# KiCad board ciaa_acc.kicad_pcb (continued)
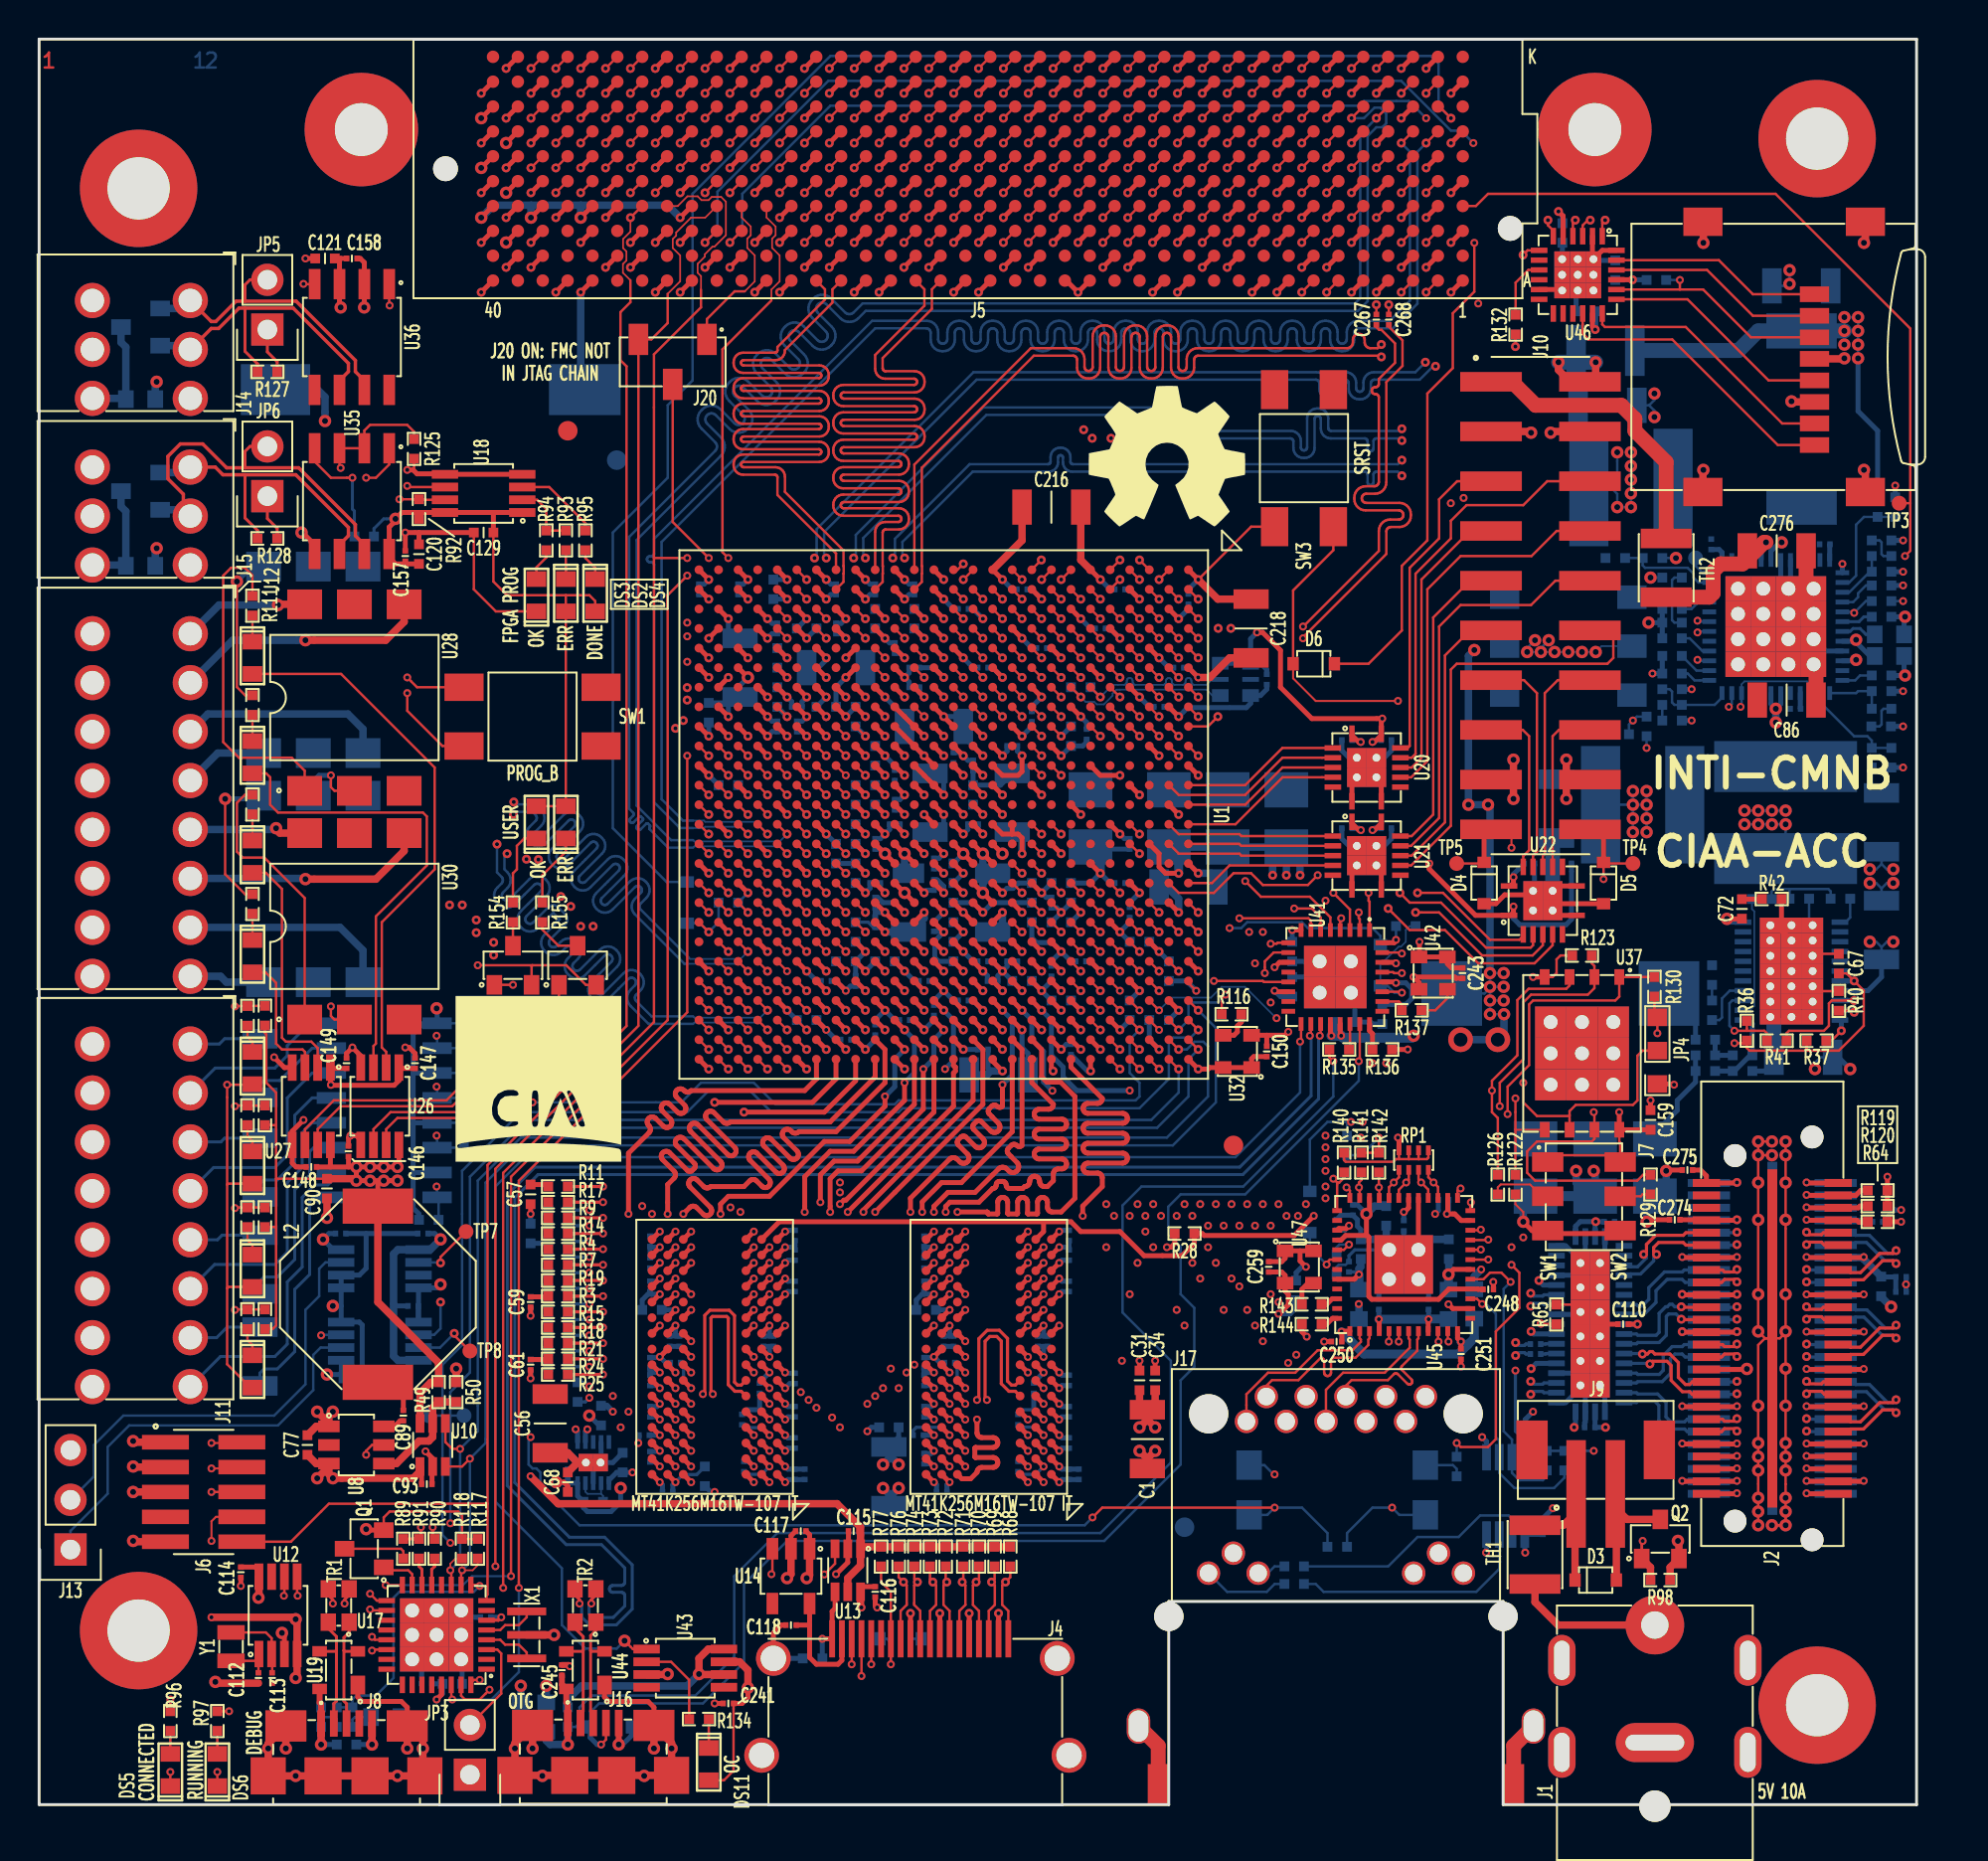
[diagram p0: board, top side]
## Routing (per net, layer and track width the routed paths; a pad name or vN(x,y) marks a point on that pad's centre or on a via; arc(x,y) is an arc through that point) (continued)
/Principal/BANKS_HR/FMC_LA_33_P: length 77.7
  TOP_L1.Sig w0.127: U1.AE17 v2(35.2,46.57) ; v2(27.66,84.86) 28.25,85.46 J5.G36
  L3.Sig w0.089: v2(22.32,45.18) 22.51,45 23.84,45 23.92,44.99 24,44.96 24.07,44.92 24.13,44.86 24.17,44.79 24.2,44.71 24.21,44.63 24.21,44.47 24.21,44.44 24.22,44.42 24.23,44.4 24.25,44.38 24.27,44.37 24.29,44.36 24.32,44.36 24.42,44.36 24.44,44.36 24.47,44.37 24.49,44.38 24.5,44.4 24.52,44.42 24.53,44.44 24.53,44.47 24.53,47.12 24.54,47.22 24.57,47.3 24.62,47.38 24.68,47.45 24.76,47.5 24.85,47.53 24.94,47.54 24.99,47.54 25.09,47.53 25.17,47.5 25.25,47.45 25.32,47.38 25.37,47.3 25.4,47.22 25.41,47.12 25.41,45.16 25.41,45.12 25.42,45.09 25.44,45.06 25.47,45.03 25.5,45.01 25.53,45 25.57,45 25.68,45 26.45,44.24 28.87,44.24 29.7,45.07 29.78,45.13 29.86,45.17 29.95,45.19 30.04,45.19 30.13,45.17 30.22,45.13 30.29,45.07 30.69,44.67 30.72,44.65 30.75,44.63 30.78,44.62 30.82,44.62 30.86,44.63 30.89,44.65 30.92,44.67 30.94,44.7 30.95,44.73 30.96,44.77 30.96,44.8 30.95,44.84 30.94,44.87 30.92,44.9 30.52,45.3 30.46,45.37 30.42,45.45 30.4,45.54 30.4,45.64 30.42,45.73 30.46,45.81 30.52,45.88 30.55,45.92 30.62,45.98 30.71,46.02 30.8,46.04 30.89,46.04 30.98,46.02 31.07,45.98 31.14,45.92 31.54,45.52 31.57,45.5 31.6,45.48 31.63,45.47 31.67,45.47 31.7,45.48 31.74,45.5 31.76,45.52 31.79,45.55 31.8,45.58 31.81,45.61 31.81,45.65 31.8,45.69 31.79,45.72 31.76,45.75 30.95,46.56 30.92,46.6 30.89,46.66 30.88,46.72 30.88,46.78 30.89,46.84 30.92,46.89 30.95,46.94 31.19,47.18 31.24,47.22 31.29,47.24 31.35,47.26 31.41,47.26 31.47,47.24 31.53,47.22 31.58,47.18 31.69,47.07 31.69,47.06 31.7,47.07 31.84,47.21 33.56,47.21 33.7,47.07 U1.AE17 v2(35.2,46.57)
  L10.Sig w0.089: v2(22.32,45.18) 22.14,45 21.11,45 20.43,45.68 20.43,68.68 22.67,70.92 22.73,70.99 22.77,71.07 22.79,71.16 22.79,71.26 22.77,71.35 22.73,71.43 22.67,71.5 22.42,71.76 22.4,71.79 22.38,71.82 22.37,71.85 22.37,71.89 22.38,71.93 22.4,71.96 22.42,71.99 22.45,72.01 22.48,72.02 22.51,72.03 22.55,72.03 22.58,72.02 22.62,72.01 22.64,71.99 22.9,71.73 22.97,71.67 23.06,71.63 23.15,71.61 23.24,71.61 23.33,71.63 23.41,71.67 23.49,71.73 23.52,71.77 23.58,71.84 23.62,71.92 23.64,72.01 23.64,72.11 23.62,72.2 23.58,72.28 23.52,72.35 23.27,72.61 23.24,72.64 23.23,72.67 23.22,72.7 23.22,72.74 23.23,72.77 23.24,72.81 23.27,72.83 23.29,72.86 23.33,72.87 23.36,72.88 23.4,72.88 23.43,72.87 23.47,72.86 23.49,72.83 23.75,72.58 23.82,72.52 23.9,72.48 23.99,72.46 24.09,72.46 24.18,72.48 24.26,72.52 24.33,72.58 24.37,72.62 24.43,72.69 24.47,72.77 24.49,72.86 24.49,72.95 24.47,73.05 24.43,73.13 24.37,73.2 24.12,73.46 24.09,73.48 24.08,73.52 24.07,73.55 24.07,73.59 24.08,73.62 24.09,73.65 24.12,73.68 24.14,73.71 24.18,73.72 24.21,73.73 24.25,73.73 24.28,73.72 24.31,73.71 24.34,73.68 24.6,73.43 24.67,73.37 24.75,73.33 24.84,73.31 24.94,73.31 25.03,73.33 25.11,73.37 25.18,73.43 25.22,73.46 25.28,73.54 25.32,73.62 25.34,73.71 25.34,73.8 25.32,73.89 25.28,73.98 25.22,74.05 24.96,74.3 24.94,74.33 24.93,74.37 24.92,74.4 24.92,74.44 24.93,74.47 24.94,74.5 24.96,74.53 24.99,74.55 25.02,74.57 25.06,74.58 25.09,74.58 25.13,74.57 25.16,74.55 25.19,74.53 25.45,74.28 25.52,74.22 25.6,74.18 25.69,74.16 25.78,74.16 25.87,74.18 25.96,74.22 26.03,74.28 26.07,74.31 26.12,74.38 26.17,74.47 26.19,74.56 26.19,74.65 26.17,74.74 26.12,74.83 26.07,74.9 25.81,75.15 25.79,75.18 25.77,75.21 25.77,75.25 25.77,75.28 25.77,75.32 25.79,75.35 25.81,75.38 25.84,75.4 25.87,75.42 25.91,75.43 25.94,75.43 25.98,75.42 26.01,75.4 26.04,75.38 26.29,75.13 26.37,75.07 26.45,75.03 26.54,75.01 26.63,75.01 26.72,75.03 26.81,75.07 26.88,75.13 27.16,75.41 27.16,84.37 v2(27.66,84.86)
/Principal/BANKS_HR/FMC_PRSNT: length 3.7
  TOP_L1.Sig w0.127: U1.AF19 v2(34.2,44.57)
  BOT_L12.Sig w0.127: R79.2 34.7,45.07 v2(34.2,44.57) 33.76,45.02 D2.1
/Principal/BANKS_HR/HDMI_CEC: length 73.8
  TOP_L1.Sig w0.127: R77.1 43,11.37 43.5,10.87 J4.13 v1(43.5,7.17) ; U1.AB21 v1(38.2,42.57)
  L5.Sig w0.107: v1(43.5,7.17) 40,10.67 25.8,10.67 20.4,16.07 20.4,24.87 21.2,25.67 21.2,34.17 30.1,43.07 U1.AB21 v1(38.2,42.57)
  BOT_L12.Sig w0.127: D1.2 43.3,8.47 43.5,8.27 v1(43.5,7.17)
/Principal/BANKS_HR/HDMI_HPD: length 62.3
  TOP_L1.Sig w0.127: U13.3 40.65,12.31 v1(40.1,11.76) ; U1.AB22 v2(38.2,41.57)
  L5.Sig w0.107: v2(38.2,41.57) U1.AB22 29.7,42.07 21.6,33.97 21.6,25.37 20.8,24.57 20.8,16.27 26,11.07 39.6,11.07 40.1,11.57 v1(40.1,11.76)
/Principal/BANKS_HR/HDMI_OUT_EN: length 51.8
  TOP_L1.Sig w0.127: v1(37.4,11.77) 37.45,11.82 U14.3 ; U1.AF23 v2(34.2,40.57)
  L5.Sig w0.107: v1(37.4,11.77) 37.11,11.77 36.91,11.57 26,11.57 22.36,15.21 22.36,33.63 29.3,40.57 v2(34.2,40.57)
/Principal/BANKS_HR/LED_ERR: length 21
  TOP_L1.Sig w0.127: Q4.1 26.55,41.02 v1(26.5,40.97) ; U1.W17 v2(41.2,46.57)
  L10.Sig w0.089: v2(41.2,46.57) 40.83,46.2 40.03,46.2 39.82,45.99 39.82,43.17 39.59,42.94 33.87,42.94 33.2,42.27 33.2,41.47 32.4,40.67 26.8,40.67 v1(26.5,40.97)
/Principal/BANKS_HR/LED_OK: length 26.4
  TOP_L1.Sig w0.127: Q3.1 v1(24.2,41.87) ; U1.W14 v2(41.2,49.57)
  L10.Sig w0.089: v2(41.2,49.57) 40.7,49.07 40.7,47.17 40.6,47.07 39.9,47.07 39.57,46.74 39.57,43.27 39.47,43.17 33.7,43.17 33,42.47 33,41.54 32.32,40.86 27.21,40.86 26.2,41.87 v1(24.2,41.87)
/Principal/BANKS_HR/MGTREFCLK1_B_N: length 6.7
  TOP_L1.Sig w0.127: v2(67.03,81.05) 67.62,81.65 J5.D5 ; C267.1 v2(68.3,76.61)
  L5.Sig w0.089: v2(67.03,81.05) 67.52,80.56 67.52,79.35 68.79,78.08 68.79,77.08 68.32,76.61 v2(68.3,76.61)
/Principal/BANKS_HR/MGTREFCLK1_B_P: length 6.6
  TOP_L1.Sig w0.127: C268.1 v2(68.93,76.61) ; J5.D4 68.89,81.65 v2(68.3,81.05)
  L5.Sig w0.089: v2(68.3,81.05) 67.8,80.56 67.8,79.46 69.07,78.19 69.07,76.75 v2(68.93,76.61)
/Principal/BANKS_HR/MGTREFCLK1_N: length 43.2
  TOP_L1.Sig w0.127: C267.2 68.3,75.47 68.44,75.33 68.55,75.33 69.25,74.63 69.25,73.64 68.42,72.81 68.42,72.57 68.42,72.53 68.41,72.49 68.39,72.46 68.36,72.43 68.33,72.41 68.29,72.4 68.25,72.4 68.24,72.4 68.2,72.39 68.16,72.38 68.13,72.36 68.1,72.33 68.08,72.3 68.07,72.26 68.06,72.22 68.07,72.18 68.08,72.14 68.1,72.11 68.13,72.08 68.16,72.06 68.2,72.05 68.24,72.05 68.25,72.05 68.29,72.04 68.33,72.03 68.36,72.01 68.39,71.98 68.41,71.95 68.42,71.91 68.42,71.87 68.42,67.57 68.42,67.52 68.4,67.47 68.37,67.42 68.34,67.39 68.29,67.36 68.24,67.34 68.19,67.34 67.75,67.34 67.62,67.32 67.5,67.28 67.39,67.21 67.3,67.12 67.23,67.01 67.19,66.88 67.17,66.76 67.17,66.68 67.19,66.56 67.23,66.43 67.3,66.32 67.39,66.23 67.5,66.16 67.62,66.12 67.75,66.1 69.44,66.1 69.5,66.1 69.55,66.08 69.59,66.05 69.63,66.02 69.65,65.97 69.67,65.92 69.68,65.87 69.67,65.82 69.65,65.77 69.63,65.72 69.59,65.69 69.55,65.66 69.5,65.64 69.44,65.64 69,65.64 68.88,65.62 68.75,65.58 68.64,65.51 68.55,65.42 68.48,65.31 68.44,65.18 68.42,65.06 68.42,64.03 64.56,60.17 ; U1.R5 v2(45.2,58.57)
  L8.Sig w0.089: v1(64.55,60.17) 64.3,59.92 64.14,59.92 62.41,58.19 45.58,58.19 v2(45.2,58.57)
/Principal/BANKS_HR/MGTREFCLK1_P: length 43.3
  TOP_L1.Sig w0.127: v1(64.55,59.57) 64.55,59.62 68.81,63.88 68.81,65.02 68.81,65.07 68.83,65.12 68.86,65.17 68.89,65.2 68.94,65.23 68.99,65.25 69.04,65.25 69.48,65.25 69.61,65.27 69.73,65.31 69.84,65.38 69.93,65.47 70,65.58 70.04,65.71 70.06,65.83 70.06,65.91 70.04,66.03 70,66.16 69.93,66.27 69.84,66.36 69.73,66.43 69.61,66.47 69.48,66.49 67.79,66.49 67.74,66.49 67.69,66.51 67.64,66.54 67.6,66.57 67.58,66.62 67.56,66.67 67.55,66.72 67.56,66.77 67.58,66.82 67.6,66.87 67.64,66.9 67.69,66.93 67.74,66.95 67.79,66.95 68.23,66.95 68.36,66.97 68.48,67.01 68.59,67.08 68.68,67.17 68.75,67.28 68.79,67.41 68.81,67.53 68.81,72.66 69.63,73.48 69.63,74.79 68.93,75.49 C268.2 ; U1.R6 v2(45.2,57.57)
  L8.Sig w0.089: v2(45.2,57.57) 45.58,57.95 62.51,57.95 64.24,59.67 64.45,59.67 v1(64.55,59.57)
/Principal/BANKS_HR/RS485_ENA: length 37.6
  TOP_L1.Sig w0.127: U1.V18 v2(42.2,45.57)
  L10.Sig w0.089: v2(20.5,25.67) 21.8,25.67 29.2,33.07 33.15,33.07 36.35,36.27 36.8,36.27 37.7,37.17 37.7,39.87 37.9,40.07 38.5,40.07 38.7,40.27 38.7,40.87 38.9,41.07 39.4,41.07 39.7,41.37 39.7,41.87 39.9,42.07 40.4,42.07 40.7,42.37 40.7,42.87 40.9,43.07 41.5,43.07 41.7,43.27 41.7,43.87 41.9,44.07 42.5,44.07 42.7,44.27 42.7,45.07 v2(42.2,45.57)
  BOT_L12.Sig w0.127: U33.6 20.18,24 20.5,24.32 v2(20.5,25.67)
/Principal/BANKS_HR/TMDS_CLK_N: length 66.9
  TOP_L1.Sig w0.127: U1.AA23 v2(39.2,40.57) ; R76.2 43.9,11.61 v2(44.14,11.37) 44.31,11.2 44.31,10.2 44,9.89 J4.12
  L5.Sig w0.089: v2(39.2,40.57) 38.57,39.94 33.71,39.94 33.7,39.93 30.66,39.93 23.44,32.71 23.44,15.73 26.56,12.61 42.66,12.61 42.84,12.43 42.85,12.42 42.87,12.41 42.89,12.41 42.91,12.41 42.93,12.41 42.95,12.42 42.96,12.43 43.25,12.72 43.26,12.73 43.28,12.74 43.3,12.74 43.32,12.74 43.34,12.74 43.36,12.73 43.37,12.72 43.39,12.7 43.4,12.68 43.4,12.66 43.4,12.64 43.4,12.62 43.39,12.61 43.37,12.59 43.09,12.31 43.08,12.29 43.07,12.27 43.06,12.25 43.06,12.23 43.07,12.21 43.08,12.19 43.09,12.18 43.1,12.17 43.12,12.16 43.14,12.15 43.16,12.15 43.18,12.16 43.2,12.17 43.21,12.18 43.5,12.47 43.52,12.48 43.53,12.49 43.55,12.49 43.57,12.49 43.59,12.49 43.61,12.48 43.63,12.47 43.64,12.45 43.65,12.43 43.65,12.41 43.65,12.39 43.65,12.37 43.64,12.36 43.63,12.34 43.34,12.05 43.33,12.04 43.32,12.02 43.31,12 43.31,11.98 43.32,11.96 43.33,11.94 43.34,11.93 43.34,10.93 43.56,10.71 44.14,10.71 44.36,10.93 44.36,11.15 v2(44.14,11.37)
/Principal/BANKS_HR/TMDS_CLK_P: length 66.9
  TOP_L1.Sig w0.127: J4.10 45,9.89 44.69,10.2 44.69,11.2 v2(44.86,11.37) 44.7,11.53 R74.2 ; U1.AA22 v2(39.2,41.57)
  L5.Sig w0.089: v2(39.2,41.57) 38.7,41.07 38.7,40.52 38.38,40.2 33.71,40.2 33.7,40.21 30.54,40.21 23.16,32.83 23.16,15.61 26.44,12.33 42.54,12.33 43.06,11.81 43.06,10.81 43.44,10.43 44.26,10.43 44.64,10.81 44.64,11.15 v2(44.86,11.37)
/Principal/BANKS_HR/TMDS_D0_N: length 62.7
  TOP_L1.Sig w0.127: U1.AB24 v2(38.2,39.57) ; J4.9 45.5,9.89 45.81,10.2 45.81,11.2 v2(45.64,11.37) 45.5,11.51 R73.2
  L5.Sig w0.089: v2(38.2,39.57) 37.83,39.2 33.71,39.2 33.7,39.21 31.04,39.21 24.26,32.43 24.26,16.01 26.94,13.33 44.64,13.33 45.61,12.36 45.62,12.35 45.63,12.33 45.63,12.31 45.63,12.29 45.63,12.27 45.62,12.25 45.61,12.24 45.45,12.08 45.44,12.07 45.43,12.05 45.43,12.03 45.43,12.01 45.43,11.99 45.44,11.97 45.45,11.96 45.47,11.94 45.49,11.94 45.51,11.93 45.53,11.93 45.55,11.94 45.56,11.94 45.58,11.96 45.73,12.11 45.75,12.12 45.77,12.13 45.79,12.14 45.81,12.14 45.83,12.13 45.84,12.12 45.86,12.11 45.86,11.59 v2(45.64,11.37)
/Principal/BANKS_HR/TMDS_D0_P: length 62.6
  TOP_L1.Sig w0.127: R72.2 46.3,11.43 v2(46.36,11.37) 46.19,11.2 46.19,10.2 46.5,9.89 J4.7 ; U1.AA24 v2(39.2,39.57)
  L5.Sig w0.089: v2(39.2,39.57) 38.57,38.94 33.71,38.94 33.7,38.93 31.16,38.93 24.54,32.31 24.54,16.13 27.06,13.61 44.76,13.61 46.14,12.23 46.14,11.59 v2(46.36,11.37)
/Principal/BANKS_HR/TMDS_D1_N: length 61.6
  TOP_L1.Sig w0.127: R71.2 47.2,11.43 v2(47.14,11.37) 47.31,11.2 47.31,10.2 47,9.89 J4.6 ; U1.AB25 v2(38.2,38.57)
  L5.Sig w0.089: v2(47.14,11.37) 47.36,11.59 47.36,11.87 47.36,11.89 47.35,11.91 47.34,11.93 47.33,11.94 47.31,11.95 47.29,11.96 47.27,11.96 47.05,11.96 47.03,11.96 47.01,11.97 47,11.98 46.98,11.99 46.97,12.01 46.97,12.03 46.96,12.05 46.97,12.07 46.97,12.09 46.98,12.1 47,12.12 47.01,12.13 47.03,12.13 47.05,12.14 47.27,12.14 47.29,12.14 47.31,12.15 47.33,12.16 47.34,12.17 47.35,12.19 47.36,12.21 47.36,12.23 47.36,13.21 46.24,14.33 27.41,14.33 25.56,16.18 25.56,32.33 31.44,38.21 33.7,38.21 33.72,38.19 37.82,38.19 v2(38.2,38.57)
/Principal/BANKS_HR/TMDS_D1_P: length 61.7
  TOP_L1.Sig w0.127: R70.2 48,11.51 v2(47.86,11.37) 47.69,11.2 47.69,10.2 48,9.89 J4.4 ; U1.AA25 v2(39.2,38.57)
  L5.Sig w0.089: v2(47.86,11.37) 47.64,11.59 47.64,13.33 46.36,14.61 27.52,14.61 25.84,16.29 25.84,32.21 31.56,37.93 33.7,37.93 33.71,37.94 38.57,37.94 v2(39.2,38.57)
/Principal/BANKS_HR/TMDS_D2_N: length 59.3
  TOP_L1.Sig w0.127: U1.AC26 v2(37.2,37.57) ; J4.3 48.5,9.89 48.81,10.2 48.81,11.2 v2(48.64,11.37) 48.8,11.53 R69.2
  L5.Sig w0.089: v2(48.64,11.37) 48.86,11.59 48.86,11.87 48.86,11.89 48.85,11.91 48.84,11.93 48.83,11.94 48.81,11.95 48.79,11.96 48.77,11.96 48.55,11.96 48.53,11.96 48.51,11.97 48.49,11.98 48.48,11.99 48.47,12.01 48.46,12.03 48.46,12.05 48.46,12.07 48.47,12.09 48.48,12.1 48.49,12.12 48.51,12.13 48.53,12.13 48.55,12.14 48.77,12.14 48.79,12.14 48.81,12.15 48.83,12.16 48.84,12.17 48.85,12.19 48.86,12.21 48.86,12.23 48.86,13.41 46.94,15.33 28.41,15.33 26.56,17.18 26.56,31.83 32.3,37.57 33.65,37.57 34.02,37.2 36.83,37.2 v2(37.2,37.57)
/Principal/BANKS_HR/TMDS_D2_P: length 59.3
  TOP_L1.Sig w0.127: U1.AB26 v2(38.2,37.57) ; R68.2 49.6,11.61 v2(49.36,11.37) 49.19,11.2 49.19,10.2 49.5,9.89 J4.1
  L5.Sig w0.089: v2(38.2,37.57) 37.55,36.92 33.9,36.92 33.53,37.29 32.42,37.29 26.84,31.71 26.84,17.3 28.53,15.61 47.06,15.61 49.14,13.53 49.14,11.59 v2(49.36,11.37)
/Principal/BANKS_HR/UART_EMIO_RX: length 35.3
  TOP_L1.Sig w0.127: U1.V19 v2(42.2,44.57) ; TP7.1 20.5,27.97 v2(20.5,27.67)
  L10.Sig w0.089: v2(42.2,44.57) 41.88,44.57 41.5,44.2 40.93,44.2 40.7,43.97 40.7,43.37 40.4,43.07 40.15,43.07 39.7,42.62 39.7,42.27 39.5,42.07 38.9,42.07 38.7,41.87 38.7,41.27 38.5,41.07 37.9,41.07 37.7,40.87 37.7,40.27 37.5,40.07 36.9,40.07 36.7,39.87 36.7,37.52 32.55,33.37 29,33.37 23.3,27.67 v2(20.5,27.67)
  BOT_L12.Sig w0.127: U34.2 20.48,27.7 v2(20.5,27.67)
/Principal/BANKS_HR/UART_EMIO_TX: length 30.6
  TOP_L1.Sig w0.127: U1.AE23 v2(35.2,40.57) ; v2(21.2,24.07) 21.2,23.97 TP8.1
  L5.Sig w0.107: v2(21.2,24.07) 22,24.87 22,33.87 29.2,41.07 U1.AE23 v2(35.2,40.57)
  BOT_L12.Sig w0.127: U33.7 20.48,23.34 v2(21.2,24.07)
/Principal/Expansion/GPIO0_B: length 16.8
  TOP_L1.Sig w0.127: J10.5 72.42,67.59 71.5,66.67 71.5,64.67 70,63.17 70,54.07 69.9,53.97 U20.13
/Principal/Expansion/GPIO1_B: length 21.4
  TOP_L1.Sig w0.127: 79.2,67.59 77.02,67.59 75.8,66.37 72.9,66.37 72.1,65.57 72.1,64.67 70.3,62.87 70.3,53.67 70.1,53.47 U20.12
/Principal/Expansion/GPIO2_B: length 15
  TOP_L1.Sig w0.127: U20.11 70.1,52.97 70.6,53.47 70.6,62.57 73.08,65.05 J10.7
/Principal/Expansion/GPIO3_B: length 20
  TOP_L1.Sig w0.127: U20.10 70.08,52.47 70.9,53.29 70.9,62.07 72.6,63.77 76.22,63.77 77.5,65.05 79.2,65.05
/Principal/Expansion/GPIO4_B: length 15.9
  TOP_L1.Sig w0.127: U21.13 70.1,49.47 71.2,50.57 71.2,60.63 73.08,62.51 J10.9
/Principal/Expansion/GPIO5_B: length 21
  TOP_L1.Sig w0.127: 79.2,62.51 77.44,62.51 76.2,61.27 72.6,61.27 71.5,60.17 71.5,50.39 70.08,48.97 U21.12
/Principal/Expansion/GPIO6_B: length 14.4
  TOP_L1.Sig w0.127: U21.11 70.1,48.47 71.8,50.17 71.8,58.69 73.08,59.97 J10.11
/Principal/Expansion/GPIO7_B: length 22.5
  TOP_L1.Sig w0.127: U21.10 70.08,47.97 72.1,49.99 72.1,57.97 72.4,58.27 80.1,58.27 80.4,58.57 80.4,59.85 80.28,59.97 79.2,59.97
/Principal/Expansion/SPI_CLK_B: length 11.5
  TOP_L1.Sig w0.127: U22.11 76.8,48.47 76.9,48.57 76.9,56.77 77.56,57.43 79.2,57.43
/Principal/Expansion/SPI_CS_B: length 8.7
  TOP_L1.Sig w0.127: 79.2,54.89 77.62,54.89 77.3,54.57 U22.10
/Principal/Expansion/SPI_MISO_B: length 8.9
  TOP_L1.Sig w0.127: J10.15 75.78,54.89 76.1,54.57 76.1,48.75 75.8,48.45 U22.13
/Principal/Expansion/SPI_MOSI_B: length 11.6
  TOP_L1.Sig w0.127: U22.12 76.3,48.47 76.5,48.67 76.5,56.77 75.84,57.43 J10.13
/Principal/OneBank/BTM_0CK_N: length 5.5
  BOT_L12.Sig w0.165: J3.38 84.02,27.31 83.92,27.21 83.01,27.21 82.21,26.41 82.21,25.8 81.88,25.47 81.65,25.47 81.58,25.54 U11.28
/Principal/OneBank/BTM_0CK_P: length 5.5
  BOT_L12.Sig w0.165: J3.36 84.07,26.67 83.92,26.83 83.15,26.83 82.58,26.25 82.58,25.65 82.03,25.1 81.65,25.1 81.58,25.04 U11.29
/Principal/OneBank/BTM_0RX_N: length 5.4
  BOT_L12.Sig w0.165: U11.35 81.58,22.04 81.65,21.97 82.74,21.97 82.95,22.18 82.95,22.94 83.4,23.4 83.92,23.4 84.02,23.5 J3.26
/Principal/OneBank/BTM_0RX_P: length 5.5
  BOT_L12.Sig w0.165: U11.36 81.58,21.54 81.65,21.6 82.9,21.6 83.32,22.03 83.32,22.79 83.54,23.02 83.92,23.02 84.07,22.86 J3.24
/Principal/OneBank/BTM_0TX_N: length 5.4
  BOT_L12.Sig w0.165: U11.37 81.58,21.04 81.65,20.97 82.67,20.97 83.09,20.55 83.09,19.8 83.34,19.55 84.05,19.55 84.18,19.69 J3.14
/Principal/OneBank/BTM_0TX_P: length 5.4
  BOT_L12.Sig w0.165: U11.38 81.58,20.54 81.65,20.6 82.51,20.6 82.72,20.39 82.72,19.65 83.19,19.19 84.05,19.19 84.18,19.05 J3.12
/Principal/OneBank/BTM_1CK_N: length 6.8
  TOP_L1.Sig w0.165: v2(86.71,27.33) 86.59,27.21 86.08,27.21 85.98,27.31 J2.38
  L3.Sig w0.132: v2(90.27,27.33) 90.11,27.18 86.87,27.18 v2(86.71,27.33)
  BOT_L12.Sig w0.165: J3.37 90.3,27.31 v2(90.27,27.33)
/Principal/OneBank/BTM_1CK_P: length 6.9
  TOP_L1.Sig w0.165: J2.36 85.92,26.67 86.08,26.83 86.59,26.83 v2(86.71,26.7)
  L3.Sig w0.132: v2(86.71,26.7) 86.87,26.85 90.11,26.85 v2(90.27,26.7)
  BOT_L12.Sig w0.165: v2(90.27,26.7) 90.3,26.67 J3.35
/Principal/OneBank/BTM_1RX_N: length 6.8
  TOP_L1.Sig w0.165: J2.26 85.98,23.5 86.08,23.4 86.59,23.4 v2(86.71,23.52)
  L3.Sig w0.132: v2(90.27,23.52) 90.11,23.37 86.87,23.37 v2(86.71,23.52)
  BOT_L12.Sig w0.165: v2(90.27,23.52) 90.3,23.5 J3.25
/Principal/OneBank/BTM_1RX_P: length 6.9
  TOP_L1.Sig w0.165: v2(86.71,22.89) 86.59,23.02 86.08,23.02 85.92,22.86 J2.24
  L3.Sig w0.132: v2(86.71,22.89) 86.87,23.04 90.11,23.04 v2(90.27,22.89)
  BOT_L12.Sig w0.165: J3.23 90.3,22.86 v2(90.27,22.89)
/Principal/OneBank/BTM_1TX_N: length 6.8
  TOP_L1.Sig w0.165: v2(86.71,19.71) 86.59,19.59 86.08,19.59 85.98,19.69 J2.14
  L3.Sig w0.132: v2(86.71,19.71) 86.87,19.56 90.11,19.56 v2(90.27,19.71)
  BOT_L12.Sig w0.165: v2(90.27,19.71) 90.3,19.69 J3.13
/Principal/OneBank/BTM_1TX_P: length 6.9
  TOP_L1.Sig w0.165: J2.12 85.92,19.05 86.08,19.2 86.59,19.2 v2(86.71,19.08)
  L3.Sig w0.132: v2(86.71,19.08) 86.87,19.23 90.11,19.23 v2(90.27,19.08)
  BOT_L12.Sig w0.165: v2(90.27,19.08) 90.3,19.05 J3.11
/Principal/OneBank/BTM_2CK_N: length 7.1
  TOP_L1.Sig w0.165: v2(94.84,28.3) 94.69,28.15 94,28.15 93.02,27.17 92.51,27.17 92.38,27.31 J2.37
  BOT_L12.Sig w0.165: J3.43 92.63,29.21 92.77,29.08 93.48,29.08 94.41,28.15 94.69,28.15 v2(94.84,28.3)
/Principal/OneBank/BTM_2CK_P: length 7.1
  TOP_L1.Sig w0.165: J2.35 92.38,26.67 92.51,26.81 93.18,26.81 94.16,27.78 94.69,27.78 v2(94.84,27.64)
  BOT_L12.Sig w0.165: J3.41 92.63,28.58 92.77,28.71 93.33,28.71 94.26,27.78 94.69,27.78 v2(94.84,27.64)
/Principal/OneBank/BTM_2RX_N: length 7.1
  TOP_L1.Sig w0.165: J2.25 92.38,23.5 92.51,23.36 93.02,23.36 94,24.34 94.69,24.34 v2(94.84,24.49)
  BOT_L12.Sig w0.165: v2(94.84,24.49) 94.69,24.34 94.28,24.34 93.36,25.27 92.77,25.27 92.63,25.4 J3.31
/Principal/OneBank/BTM_2RX_P: length 7.1
  TOP_L1.Sig w0.165: J2.23 92.38,22.86 92.51,23 93.18,23 94.16,23.97 94.69,23.97 v2(94.84,23.83)
  BOT_L12.Sig w0.165: v2(94.84,23.83) 94.69,23.97 94.13,23.97 93.2,24.9 92.77,24.9 92.63,24.77 J3.29
/Principal/OneBank/BTM_2TX_N: length 7.1
  TOP_L1.Sig w0.165: J2.13 92.38,19.69 92.51,19.55 93.02,19.55 94,20.53 94.69,20.53 v2(94.84,20.68)
  BOT_L12.Sig w0.165: v2(94.84,20.68) 94.69,20.53 94.41,20.53 93.48,21.46 92.77,21.46 92.63,21.59 J3.19
/Principal/OneBank/BTM_2TX_P: length 7.1
  TOP_L1.Sig w0.165: J2.11 92.38,19.05 92.51,19.19 93.18,19.19 94.16,20.16 94.69,20.16 v2(94.84,20.02)
  BOT_L12.Sig w0.165: v2(94.84,20.02) 94.69,20.16 94.26,20.16 93.33,21.09 92.77,21.09 92.63,20.96 91.76,20.96
/Principal/OneBank/BTM_3CK_N: length 6.8
  TOP_L1.Sig w0.165: J2.43 91.13,29.21 91.03,29.11 90.4,29.11 v2(90.27,29.24)
  L3.Sig w0.132: v2(86.71,29.24) 86.87,29.08 90.11,29.08 v2(90.27,29.24)
  BOT_L12.Sig w0.165: J3.44 86.69,29.21 v2(86.71,29.24)
/Principal/OneBank/BTM_3CK_P: length 6.9
  TOP_L1.Sig w0.165: v2(90.27,28.6) 90.4,28.73 91.03,28.73 91.18,28.58 J2.41
  L3.Sig w0.132: v2(86.71,28.6) 86.87,28.76 90.11,28.76 v2(90.27,28.6)
  BOT_L12.Sig w0.165: J3.42 86.69,28.58 v2(86.71,28.6)
/Principal/OneBank/BTM_3RX_N: length 6.8
  TOP_L1.Sig w0.165: v2(90.27,25.43) 90.4,25.3 91.03,25.3 91.13,25.4 J2.31
  L3.Sig w0.132: v2(86.71,25.43) 86.87,25.27 90.11,25.27 v2(90.27,25.43)
  BOT_L12.Sig w0.165: J3.32 86.69,25.4 v2(86.71,25.43)
/Principal/OneBank/BTM_3RX_P: length 6.9
  TOP_L1.Sig w0.165: v2(90.27,24.79) 90.4,24.92 91.03,24.92 91.18,24.77 J2.29
  L3.Sig w0.132: v2(90.27,24.79) 90.11,24.95 86.87,24.95 v2(86.71,24.79)
  BOT_L12.Sig w0.165: J3.30 86.69,24.77 v2(86.71,24.79)
/Principal/OneBank/BTM_3TX_N: length 6.8
  TOP_L1.Sig w0.165: J2.19 91.13,21.59 91.03,21.49 90.4,21.49 v2(90.27,21.62)
  L3.Sig w0.132: v2(86.71,21.62) 86.87,21.46 90.11,21.46 v2(90.27,21.62)
  BOT_L12.Sig w0.165: J3.20 86.69,21.59 v2(86.71,21.62)
/Principal/OneBank/BTM_3TX_P: length 6.9
  TOP_L1.Sig w0.165: 91.89,20.96 91.18,20.96 91.03,21.11 90.4,21.11 v2(90.27,20.98)
  L3.Sig w0.132: v2(90.27,20.98) 90.11,21.14 86.87,21.14 v2(86.71,20.98)
  BOT_L12.Sig w0.165: 85.28,20.96 86.69,20.96 v2(86.71,20.98)
/Principal/OneBank/MGTXTX0_B_N: length 0.8
  BOT_L12.Sig w0.165: C108.2 76.93,23.52 76.95,23.54 U11.7
/Principal/OneBank/MGTXTX0_B_P: length 0.8
  BOT_L12.Sig w0.165: C107.2 76.93,23.02 76.96,23.04 U11.6
/Principal/OneBank/OB_3V3: length 20.9
  TOP_L1.Sig w0.254: v1(86.71,16.54) 86.69,16.51 J2.4 83.94,16.51 v1(83.92,16.54) ; v1(90.27,16.54) 90.3,16.51 J2.3 93.16,16.51 v1(93.19,16.54)
  L3.Sig w0.381: v1(93.19,16.54) v1(90.27,16.54) 89.67,16.54 89.5,16.37 87.3,16.37 87.13,16.54 v1(86.71,16.54) v1(83.92,16.54)
  BOT_L12.Sig w0.254: v1(86.71,16.54) 86.69,16.51 J3.4 83.94,16.51 v1(83.92,16.54) ; v1(90.27,16.54) 90.3,16.51 J3.3 93.16,16.51 v1(93.19,16.54)
/Principal/OneBank/OB_ALERT: length 3.1
  TOP_L1.Sig w0.254: J2.51 90.3,31.75 v1(90.27,31.78)
  BOT_L12.Sig w0.254: J3.51 90.3,31.75 v1(90.27,31.78)
/Principal/OneBank/OB_DIR: length 6.6
  TOP_L1.Sig w0.254: v1(90.27,29.87) 90.3,29.85 J2.45 92.84,29.85 92.94,29.75 93.38,29.75 R64.2
  BOT_L12.Sig w0.254: C273.1 93.2,29.77 93.12,29.85 J3.45 90.3,29.85 v1(90.27,29.87)
/Principal/OneBank/OB_PE_RST: length 3
  TOP_L1.Sig w0.254: v1(86.71,15.9) 86.69,15.88 J2.2
  BOT_L12.Sig w0.254: v1(86.71,15.9) 86.69,15.88 J3.2
/Principal/OneBank/OB_PG: length 4.4
  TOP_L1.Sig w0.254: C274.1 85.13,29.87 J2.46 86.69,29.85 v2(86.71,29.87)
  BOT_L12.Sig w0.254: J3.46 86.69,29.85 v2(86.71,29.87)
/Principal/OneBank/OB_PSON: length 4.2
  TOP_L1.Sig w0.254: C275.1 84.86,32.41 85.15,32.12 J2.52 86.69,31.75 v2(86.71,31.78)
  BOT_L12.Sig w0.254: v2(86.71,31.78) 86.69,31.75 J3.52
/Principal/OneBank/OB_USB0_N: length 3
  TOP_L1.Sig w0.254: v1(86.71,17.81) 86.69,17.78 J2.8
  BOT_L12.Sig w0.254: J3.8 86.69,17.78 v1(86.71,17.81)
/Principal/OneBank/OB_USB0_P: length 3
  TOP_L1.Sig w0.254: v1(86.71,17.17) 86.69,17.15 J2.6
  BOT_L12.Sig w0.254: v1(86.71,17.17) 86.69,17.15 J3.6
/Principal/OneBank/OB_USB1_N: length 3.1
  TOP_L1.Sig w0.254: v1(90.27,17.81) 90.3,17.78 J2.7
  BOT_L12.Sig w0.254: v1(90.27,17.81) 90.3,17.78 J3.7
/Principal/OneBank/OB_USB1_P: length 3.1
  TOP_L1.Sig w0.254: v1(90.27,17.17) 90.3,17.15 J2.5
  BOT_L12.Sig w0.254: J3.5 90.3,17.15 v1(90.27,17.17)
/Principal/OneBank/OB_USB_OC: length 3.1
  TOP_L1.Sig w0.254: v1(90.27,15.9) 90.3,15.88 J2.1
  BOT_L12.Sig w0.254: J3.1 90.3,15.88 v1(90.27,15.9)
/Principal/OneBank/TOP_3CK_N: length 5.5
  TOP_L1.Sig w0.165: J2.44 84.11,29.21 83.97,29.08 82.56,29.08 82.09,28.61 82.09,28.25 v2(81.95,28.1)
  BOT_L12.Sig w0.165: v2(81.95,28.1) 82.09,27.96 82.09,27.93 81.64,27.47 81.29,27.47 81.22,27.54 U11.24
/Principal/OneBank/TOP_3CK_P: length 5.5
  TOP_L1.Sig w0.165: J2.42 84.11,28.58 83.97,28.71 82.71,28.71 82.46,28.46 82.46,28.25 v2(82.61,28.1)
  BOT_L12.Sig w0.165: U11.25 81.22,27.04 81.29,27.1 81.79,27.1 82.46,27.77 82.46,27.96 v2(82.61,28.1)
/Principal/OneBank/TOP_3RX_N: length 5.5
  TOP_L1.Sig w0.165: J2.32 83.9,25.4 v2(83.87,25.43)
  BOT_L12.Sig w0.165: v2(83.87,25.43) 83.54,25.43 83.41,25.56 83.28,25.56 83.16,25.43 83.07,25.43 82.74,25.09 82.74,24.13 82.59,23.97 81.65,23.97 81.58,24.04 U11.31
/Principal/OneBank/TOP_3RX_P: length 5.5
  TOP_L1.Sig w0.165: v2(83.87,24.79) 83.9,24.77 J2.30
  BOT_L12.Sig w0.165: U11.32 81.58,23.54 81.65,23.6 82.74,23.6 83.11,23.97 83.11,24.94 83.23,25.06 83.61,25.06 v2(83.87,24.79)
/Principal/OneBank/TOP_3TX_N: length 5.5
  TOP_L1.Sig w0.165: v2(81.89,23.02) 82.14,23.02 82.27,23.14 82.39,23.14 82.52,23.02 83.29,23.02 83.72,22.58 83.72,21.82 84.08,21.46 84.3,21.46 84.43,21.59 J2.20
  BOT_L12.Sig w0.165: U11.33 81.86,23.04 v2(81.89,23.02)
/Principal/OneBank/TOP_3TX_P: length 5.4
  TOP_L1.Sig w0.165: v2(82.27,22.51) 82.41,22.65 83.14,22.65 83.35,22.43 83.35,21.67 83.93,21.09 84.3,21.09 84.43,20.96 85.15,20.96
  BOT_L12.Sig w0.165: v2(82.27,22.51) 82.24,22.54 U11.34
/Principal/RTC-HDMI/VOUT_HDMI: length 6.4
  TOP_L1.Sig w0.254: 39.35,9.17 U14.5 ; 39.35,9.17 C118.2 ; 39.35,9.17 39.35,7.52 39.7,7.17 40.8,7.17 41,7.37 J4.18
DDR_VTT: length 6.6
  TOP_L1.Sig w0.254: R11.1 25.9,31.67 C57.2 ; C61.1 25.97,22.73 R24.1 ; R3.1 25.97,25.94 C59.2
  BOT_L12.Sig w0.254: R23.1 25.63,22.73 C61.1 ; C58.2 25.9,28.67 R5.1 ; C59.2 25.63,25.94 R6.1 ; v3(28.1,19.87) 28.6,19.37 C70.2
VTT_REF: length 7.5
  TOP_L1.Sig w0.254: U3.H1 v1(38.1,22.07) ; U3.M8 v1(32.5,26.07) ; U1.K21 v2(50.2,42.57) ; U1.M21 v2(48.2,42.57) ; U2.M8 v1(46.5,26.07) ; U2.H1 v1(52.1,22.07)